# Allegro board WeChat_ZM_PART_20200601.brd (continued)
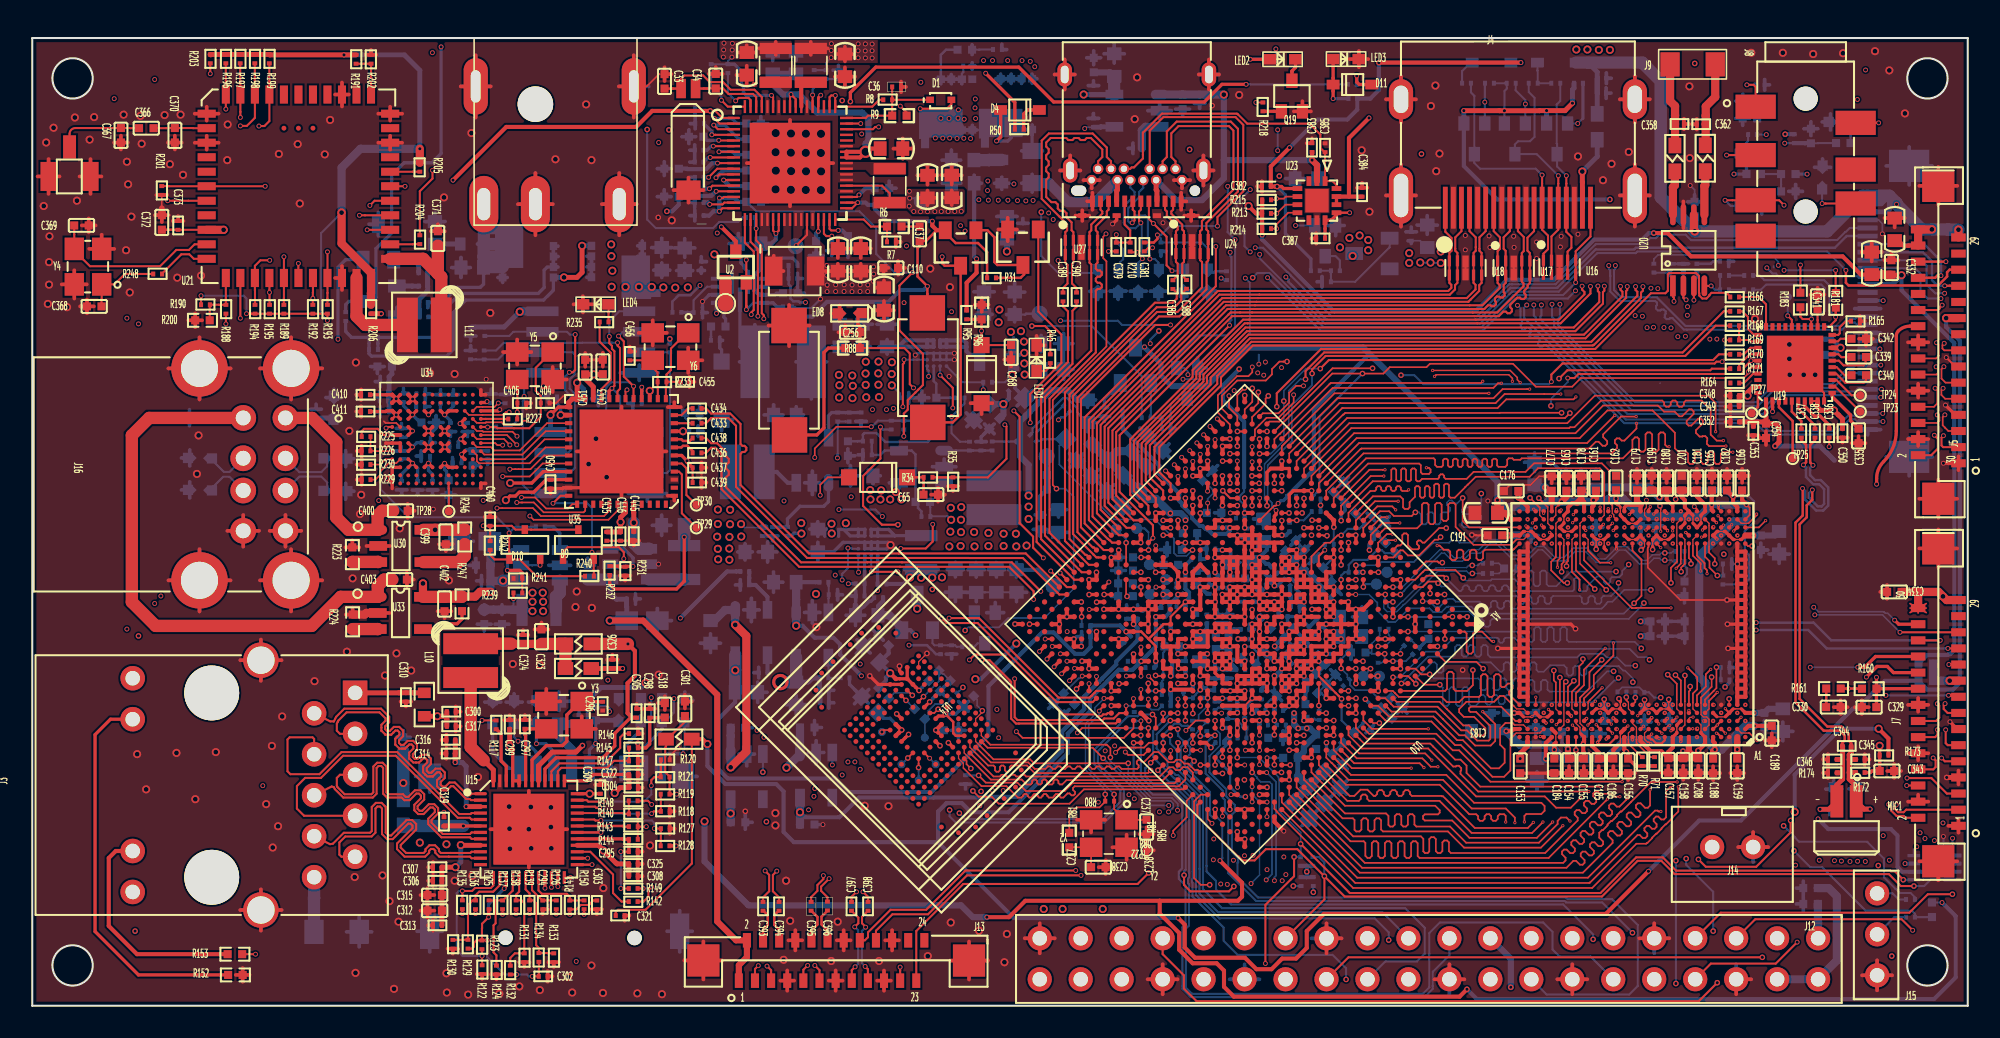
[diagram p0: board, top side]
## Nets (continued)
GL_SSTXP0: C438.1 U35.8(TXP)
GL_X1: C455.1 R233.2 U35.13(X1) Y6.1(XIN)
GL_X2: C456.1 R233.1 U35.14(X2) Y6.3(XOUT)
GPIO0_B5/LED1_OUT: R218.1 U10.U30(GPIO0_B3_D)
GPIO1_A0: J13.23 U10.R25(GPIO1_A0/ISP0_SHUTTER_EN/ISP1_S)
GPIO1_A1: R182.1 U10.T31(GPIO1_A1/ISP0_SHUTTER_TRIG/ISP1)
GPIO1_A3: J12.13 U10.R27(GPIO1_A3/ISP0_FLASHTRIGOUT/ISP1)
GPIO1_A7/SPI1_RXD/UART4_RX: J12.21 U10.P27(GPIO1_A7/SPI1_RXD/UART4_RX_U)
GPIO1_B0/SPI1_TXD/UART4_TX: J12.19 U10.R31(GPIO1_B0/SPI1_TXD/UART4_TX_U)
GPIO1_B1/SPI1_CLK: J12.23 U10.P28(GPIO1_B1/SPI1_CLK/PMCU_JTAG_TCK)
GPIO1_B2/SPI1_CSN0: J12.24 U10.P29(GPIO1_B2/SPI1_CSN0/PMCU_JTAG_TM)
GPIO1_C2: J12.12 U10.N31(GPIO1_C2/SPI3_CSN0_U)
GPIO1_C6: J12.16 U10.L25(GPIO1_C6/TCPD_VBUS_SOURCE0_D)
GPIO1_C7: J12.18 U10.M31(GPIO1_C7/TCPD_VBUS_SOURCE1_D)
GPIO1_D0: J12.22 U10.L26(GPIO1_D0/TCPD_VBUS_SOURCE2_D)
GPIO2_B3/CIF_CLKO: R160.1 R161.1 U10.H31(GPIO2_B3/SPI2_CLK/VOP_DEN/CIF_C)
GPIO2_D4: J12.15 U10.AF8(GPIO2_D4/SDIO0_BKPWR_D)
GPIO4_C0/I2C3_SDA: J12.10 U10.AG6(GPIO4_C0/I2C3_SDA/UART2B_RX_U)
GPIO4_C1/I2C3_SCL: J12.8 U10.AL2(GPIO4_C1/I2C3_SCL/UART2B_TX_U)
GPIO4_C5/SPDIF_TX: J12.26 U10.AK1(GPIO4_C5/SPDIF_TX_D)
GPIO4_C6/PWM1: J12.7 U10.AL3(GPIO4_C6/PWM1_D)
GPU_EN_H: C88.1 Q9.1(GATE) R52.2 R53.1
GPU_SLEEP: U8.A1(VSEL) U10.M25(GPIO1_B6/PWM3B_IR_D)
HDMI_CEC: Q16.2(SOURCE) R156.2 U10.AD7(GPIO4_C7/HDMI_CECINOUT/EDP_HOTP)
HDMI_TX0N: J4.9 U10.AL17(HDMI_TX0N) U17.2(IN2) U17.9(OUT2)
HDMI_TX0P: J4.7 U10.AK17(HDMI_TX0P) U17.1(IN1) U17.10(OUT1)
HDMI_TX1N: J4.6 U10.AL18(HDMI_TX1N) U18.5(IN4) U18.6(OUT4)
HDMI_TX1P: J4.4 U10.AK18(HDMI_TX1P) U18.4(IN3) U18.7(OUT3)
HDMI_TX2N: J4.3 U10.AL19(HDMI_TX2N) U18.2(IN2) U18.9(OUT2)
HDMI_TX2P: J4.1($PIN0) U10.AK19(HDMI_TX2P) U18.1(IN1) U18.10(OUT1)
HDMI_TXCN: J4.12 U10.AL16(HDMI_TCN) U17.5(IN4) U17.6(OUT4)
HDMI_TXCP: J4.10 U10.AK16(HDMI_TCP) U17.4(IN3) U17.7(OUT3)
HOST0_DM: J13.18 U10.AB31(HOST0_DM)
HOST0_DP: J13.16 U10.AB30(HOST0_DP)
HOST1_DM: ED20.1 J16.A2(D-_A) U10.AA31(HOST1_DM)
HOST1_DP: ED19.1 J16.A3(D+_A) U10.AA30(HOST1_DP)
HP_DET_H: C359.1 R179.2 R180.1 U10.AH5(GPIO4_D4_D)
HP_HOOK: C356.2 R176.2 R178.1 U10.AG25(ADC_IN2)
HPOL: R183.1 R187.1 U19.23(HPO_L)
HPOR: R181.1 R185.1 U19.21(HPO_R)
I2C2_SCL: J5.23(TP_SCL) J6.23(TP_SCL) J12.28 R104.1 U10.H25(GPIO2_A1/VOP_D1/CIF_D1/I2C2_SCL) U29.5(A1)
I2C2_SCL_3V0: J12.5 U29.8(B1)
I2C2_SDA: J5.24(TP_SDA) J6.24(TP_SDA) J12.27 R103.1 U10.G31(GPIO2_A0/VOP_D0/CIF_D0/I2C2_SDA) U29.4(A2)
I2C2_SDA_3V0: J12.3 U29.1(B2)
I2C7_SCL_HDMI: Q15.2(SOURCE) R106.1 R154.2 U10.H28(GPIO2_B0/VOP_CLK/CIF_VSYNC/I2C7)
I2C7_SDA_HDMI: Q17.2(SOURCE) R105.1 R158.2 U10.G30(GPIO2_A7/VOP_D7/CIF_D7/I2C7_SDA)
I2C_SCL: R213.2 U10.P30(GPIO1_B4/I2C4_SCL_U) U23.6(SCL)
I2C_SCL_CAM: J7.23(TP_SCL) R102.1 U10.Y6(GPIO4_A2/I2C1_SCL_U) U19.35(SCL)
I2C_SCL_PMIC: R98.1 U1.19(SCL) U3.A3(SCL) U8.A3(SCL) U10.N30(GPIO1_C0/SPI3_TXD/I2C0_SCL_U)
I2C_SDA: R214.2 U10.P31(GPIO1_B3/I2C4_SDA_U) U23.7(SDA)
I2C_SDA_CAM: J7.24(TP_SDA) R101.1 U10.AG1(GPIO4_A1/I2C1_SDA_U) U19.36(SDA)
I2C_SDA_PMIC: R97.1 U1.18(SDA) U3.B1(SDA) U8.B1(SDA) U10.M26(GPIO1_B7/SPI3_RXD/I2C0_SDA_U)
I2S0_LRCK_RX: J12.29 U10.AF4(GPIO3_D1/I2S0_LRCK_RX_D)
I2S0_LRCK_TX: J12.31 U10.AJ2(GPIO3_D2/I2S0_LRCK_TX_D)
I2S0_SCLK: J12.33 U10.AG3(GPIO3_D0/I2S0_SCLK_D)
I2S0_SDI0: J12.35 U10.Y7(GPIO3_D3/I2S0_SDI0_D)
I2S0_SDI1SDO3: J12.37 U10.AE5(GPIO3_D4/I2S0_SDI1SDO3_D)
I2S0_SDI2SDO2: J12.38 U10.AA6(GPIO3_D5/I2S0_SDI2SDO2_D)
I2S0_SDI3SDO1: J12.40 U10.AH2(GPIO3_D6/I2S0_SDI3SDO1_D)
I2S0_SDO0: J12.36 U10.AH1(GPIO3_D7/I2S0_SDO0_D)
I2S1_LRCK_TX: R169.1 U10.AJ1(GPIO4_A5/I2S1_LRCK_TX_D)
I2S_ADCDAT: R166.2 U19.30(ADCDAT1)
I2S_BCLK: R170.2 U19.33(BCLK1)
I2S_CLK: J12.32 R171.1 U10.AC7(GPIO4_A0/I2S_CLK_D)
I2S_DACDAT: R167.2 U19.31(DACDAT1)
I2S_LRCK: R168.2 R169.2 U19.32(LRCK1)
I2S_MCLK: R171.2 U19.34(MCLK)
INTB: R141.2 R150.1 U15.20(INTB)
LCD_BL_PWM1: J6.17(LCD_PWM_IN) J7.17(LCD_PWM_IN) U10.AF5(GPIO4_C2/PWM0/VOP0_PWM/VOP1_PWM)
LCD_EN_H1: J7.22(LED_EN) U10.AG4(GPIO4_D6_D)
LCD_RST_H1: J6.20(LCD_RST) U10.M24(GPIO1_B5_D)
LED0_AD0: R118.2 R119.1 R153.1 U15.34(LED0/PHYAD0)
LED1_AD1: J3.11(G+) R120.2 R121.1 U15.35(LED1/PHYAD1)
LED2_EN: J6.22(LED_EN) U10.V26(GPIO0_B4/TCPD_VBUS_BDIS_D)
LED2_RXDLY: R127.2 R128.1 U15.32(LED2_RXDLY)
LOG_DVS_PWM: R23.1 R25.1 R26.1 U10.M28(GPIO1_C3/PWM2_D)
MAC_COL: R148.2 U10.D27(GPIO3_C0/MAC_COL/UART3_CTSN/SPD)
MAC_CRS: R149.2 U10.B27(GPIO3_B7/MAC_CRS/CIF_CLKOUTB/UA)
MAC_MCLK: R117.2 U10.G24(GPIO3_B3/MAC_CLK/I2C5_SCL_U)
MAC_MDC: U10.E29(GPIO3_B0/MAC_MDC/SPI0_CSN1_U) U15.30(MDC)
MAC_MDIO: R143.2 U10.G26(GPIO3_B5/MAC_MDIO/UART1_TX_U) U15.31(MDIO)
MAC_RXCLK: R126.2 U10.F25(GPIO3_B6/MAC_RXCLK/UART3_RX_U)
MAC_RXD0: R136.2 U10.E26(GPIO3_A6/MAC_RXD0/SPI0_CLK_U)
MAC_RXD1: R137.2 U10.F27(GPIO3_A7/MAC_RXD1/SPI0_CSN0_U)
MAC_RXD2: R138.2 U10.E30(GPIO3_A2/MAC_RXD2/SPI4_CLK_U)
MAC_RXD3: R139.2 U10.E25(GPIO3_A3/MAC_RXD3/SPI4_CSN0_U)
MAC_RXDV: R135.2 U10.C27(GPIO3_B1/MAC_RXDV_D)
MAC_RXER: R150.2 U10.F23(GPIO3_B2/MAC_RXER/I2C5_SDA_U)
MAC_TXCLK: U10.E28(GPIO3_C1/MAC_TXCLK/UART3_RTSN_U) U15.22(TXC)
MAC_TXD0: U10.D26(GPIO3_A4/MAC_TXD0/SPI0_RXD_D) U15.23(TXD0)
MAC_TXD1: U10.G23(GPIO3_A5/MAC_TXD1/SPI0_TXD_D) U15.24(TXD1)
MAC_TXD2: U10.F24(GPIO3_A0/MAC_TXD2/SPI4_RXD_D) U15.25(TXD2)
MAC_TXD3: U10.H23(GPIO3_A1/MAC_TXD3/SPI4_TXD_D) U15.26(TXD3)
MAC_TXEN: R142.2 U10.H22(GPIO3_B4/MAC_TXEN/UART1_RX_U)
MDI0+: J3.2(MDI0+) U15.1(MDI[0]+)
MDI0-: J3.3(MDI0-) U15.2(MDI[0]-)
MDI1+: J3.4(MDI1+) U15.4(MDI[1]+)
MDI1-: J3.7(MDI1-) U15.5(MDI[1]-)
MDI2+: J3.5(MDI2+) U15.7(MDI[2]+)
MDI2-: J3.6(MDI2-) U15.8(MDI[2]-)
MDI3+: J3.8(MDI3+) U15.10(MDI[3]+)
MDI3-: J3.9(MDI3-) U15.11(MDI[3]-)
MIC_IN1P: C336.1 ED12.1 J8.2 R177.2 R178.2
MIC_IN2N: C338.1 C344.2 C346.1 ED10.1 MIC1.2 R174.1
MIC_IN2P: C337.1 C344.1 C345.1 ED9.1 MIC1.1 R172.1
MICBIAS1: R173.2 R175.1 U19.2(MICBIAS1)
MIPI_MCLK0: C329.1 J5.18(GND_6) J7.18(GND_6) R160.2
MIPI_MCLK1: C330.1 R161.2
MIPI_RX0_CLKN: J5.8(LVDS_CLKN) U10.AL13(MIPI_RX0_CLKN)
MIPI_RX0_CLKP: J5.9(LVDS_CLKP) U10.AK13(MIPI_RX0_CLKP)
MIPI_RX0_D0N: J5.14(LVDS_D3N) U10.AL15(MIPI_RX0_D0N)
MIPI_RX0_D0P: J5.15(LVDS_D3P) U10.AK15(MIPI_RX0_D0P)
MIPI_RX0_D1N: J5.11(LVDS_D2N) U10.AL14(MIPI_RX0_D1N)
MIPI_RX0_D1P: J5.12(LVDS_D2P) U10.AK14(MIPI_RX0_D1P)
MIPI_RX0_D2N: J5.5(LVDS_D1N) U10.AL12(MIPI_RX0_D2N)
MIPI_RX0_D2P: J5.6(LVDS_D1P) U10.AK12(MIPI_RX0_D2P)
MIPI_RX0_D3N: J5.2(LVDS_D0N) U10.AL11(MIPI_RX0_D3N)
MIPI_RX0_D3P: J5.3(LVDS_D0P) U10.AK11(MIPI_RX0_D3P)
MIPI_TX0_CLKN: J6.8(LVDS_CLKN) U10.AH12(MIPI_TX0_CLKN)
MIPI_TX0_CLKP: J6.9(LVDS_CLKP) U10.AG12(MIPI_TX0_CLKP)
MIPI_TX0_D0N: J6.14(LVDS_D3N) U10.AH15(MIPI_TX0_D0N)
MIPI_TX0_D0P: J6.15(LVDS_D3P) U10.AG15(MIPI_TX0_D0P)
MIPI_TX0_D1N: J6.11(LVDS_D2N) U10.AH14(MIPI_TX0_D1N)
MIPI_TX0_D1P: J6.12(LVDS_D2P) U10.AG14(MIPI_TX0_D1P)
MIPI_TX0_D2N: J6.5(LVDS_D1N) U10.AH11(MIPI_TX0_D2N)
MIPI_TX0_D2P: J6.6(LVDS_D1P) U10.AG11(MIPI_TX0_D2P)
MIPI_TX0_D3N: J6.2(LVDS_D0N) U10.AH9(MIPI_TX0_D3N)
MIPI_TX0_D3P: J6.3(LVDS_D0P) U10.AG9(MIPI_TX0_D3P)
MIPI_TX1/RX1_CLKN: J7.8(LVDS_CLKN) U10.AL8(MIPI_TX1/RX1_CLKN)
MIPI_TX1/RX1_CLKP: J7.9(LVDS_CLKP) U10.AK8(MIPI_TX1/RX1_CLKP)
MIPI_TX1/RX1_D0N: J7.14(LVDS_D3N) U10.AL6(MIPI_TX1/RX1_D0N)
MIPI_TX1/RX1_D0P: J7.15(LVDS_D3P) U10.AK6(MIPI_TX1/RX1_D0P)
MIPI_TX1/RX1_D1N: J7.11(LVDS_D2N) U10.AL7(MIPI_TX1/RX1_D1N)
MIPI_TX1/RX1_D1P: J7.12(LVDS_D2P) U10.AK7(MIPI_TX1/RX1_D1P)
MIPI_TX1/RX1_D2N: J7.5(LVDS_D1N) U10.AL9(MIPI_TX1/RX1_D2N)
MIPI_TX1/RX1_D2P: J7.6(LVDS_D1P) U10.AK9(MIPI_TX1/RX1_D2P)
MIPI_TX1/RX1_D3N: J7.2(LVDS_D0N) U10.AL10(MIPI_TX1/RX1_D3N)
MIPI_TX1/RX1_D3P: J7.3(LVDS_D0P) U10.AK10(MIPI_TX1/RX1_D3P)
OTP_OUT_H: D2.1(A) U10.P26(GPIO1_A6/TSADC_INT_Z)
PCIE_REF_CLKN: C398.2 U10.AD30(PCIE_RCLK_100M_N)
PCIE_REF_CLKP: C397.2 U10.AD31(PCIE_RCLK_100M_P)
PCIE_RX0_N: J13.11 U10.AF31(PCIE_RX0_N)
PCIE_RX0_P: J13.9 U10.AF30(PCIE_RX0_P)
PCIE_RX1_N: J13.5 U10.AH31(PCIE_RX1_N)
PCIE_RX1_P: J13.3 U10.AH30(PCIE_RX1_P)
PCIE_TX0N: C396.1 U10.AE31(PCIE_TX0_N)
PCIE_TX0P: C395.1 U10.AE30(PCIE_TX0_P)
PCIE_TX1N: C394.1 U10.AG31(PCIE_TX1_N)
PCIE_TX1P: C393.1 U10.AG30(PCIE_TX1_P)
PGOOD_VDD09: D10.2 U39.5(PG)
PGOOD_VDD12: D9.1 U36.5(PG)
PGOOD_VDD18: R238.1 U39.1(EN)
PHONE_DET: ED14.1 J8.5 R180.2
PHY_XTAL1: C296.1 U15.42(CKXTAL1) Y3.1(XIN)
PHY_XTAL2: C297.1 U15.43(CKXTAL2) Y3.3(XOUT)
PHYRSTB: C295.1 R144.2 R149.1 U15.29(PHYRSTB)
PMEB: R140.2 R148.1 U15.33(PMEB)
PMIC_EXT_EN: R41.1 U1.55(EXT_EN)
PMIC_INT_L: U1.49(INT) U10.M30(GPIO1_C5/I2C8_SCL_U)
PMIC_SLEEP_H: Q12.1(GATE) Q13.1(GATE) Q14.1(GATE) U1.50(SLEEP) U10.R30(GPIO1_A5/AP_PWROFF_D)
PORT_CEC: J4.13 Q16.3(DRAIN) R157.2 U16.1(IN1) U16.10(OUT1)
PORT_HPD: J4.19 R109.2 U16.5(IN4) U16.6(OUT4)
PWR_KEY: J13.21 R9.1
PWR_KEY_L: D1.1(A) U10.V27(GPIO0_A5/EMMC_PWRON_U)
REGOUT: L10.1 U15.48(REGOUT)
RESET_L: C236.2 R3.2 U1.20(NRESPWRON) U10.T30(NPOR_U)
RGMII_GR-: J3.12(G-) R152.2
RGMII_YE-: J3.13(Y-) R153.2
RSET: R146.1 U15.39(RSET)
RTC_CLKO_SOC: R4.1 U1.68(ALWAYS ON CLK32KOUT1) U10.U31(GPIO0_A0/TEST_CLKOUT0/CLK32K_IN)
RTC_CLKO_WIFI: R5.1 R203.1 R204.2 U1.67(CLK32KOUT2)
RX_CLK: C294.1 R126.1 U15.19(RXC)
RXCTL_AD2: R122.2 R123.1 R135.1 U15.13(RXCTL/PHYAD2)
RXD0: R129.1 R130.2 R136.1 U15.14(RXD0/SELRGV)
RXD1_TXDLY: R124.2 R125.1 R137.1 U15.16(RXD1/TXDLY)
RXD2_AN0: R131.2 R132.1 R138.1 U15.17(RXD2/AN0)
RXD3_AN1: R133.2 R134.1 R139.1 U15.18(RXD3/AN1)
SDMMC0_CLK: R86.1 U10.V29(GPIO4_B4/SDMMC0_CLKOUT/MUCJTAG_)
SDMMC0_CMD: ED5.1 J2.3(CMD) U10.V25(GPIO4_B5/SDMMC0_CMD/MCUJTAG_TMS)
SDMMC0_D0: ED3.1 J2.7(DATA0) U10.Y27(GPIO4_B0/SDMMC0_D0/UART2A_RX_U)
SDMMC0_D1: ED2.1 J2.8(DATA1) U10.Y26(GPIO4_B1/SDMMC0_D1/UART2A_TX_U)
SDMMC0_D2: ED7.1 J2.1(DATA2) U10.Y28(GPIO4_B2/SDMMC0_D2/APJTAG_TCK_U)
SDMMC0_D3: ED6.1 J2.2(CD/DATA3) U10.U27(GPIO4_B3/SDMMC0_D3/APJTAG_TMS_U)
SDMMC0_DET_L: ED1.1 J2.9(CD) U10.V28(GPIO0_A7/SDMMC0_DET_U)
SDMMC0_PWR_H: U10.R29(GPIO0_A1/DDRIO_PWROFF/TCPD_CCDB) U13.3(EN)
SDMMC0_VDDPST: C249.1 U10.U26(SDMMC0_VDDPST)
SPK_CTL_H: R164.2
SV_CLK_MODE0: R225.2 R226.2 U34.E12(CLK_MODE0)
SV_CLK_MODE1: R229.2 U34.D11(CLK_MODE1)
SV_CLK_MODE2: R230.2 U34.D12(CLK_MODE2)
SV_EXT_RESET_N: D9.2 R240.1 U35.36(SD2_CDZ)
SV_RSTN: C460.1 D9.3 D10.3 R242.1 U34.H12(RSTN)
TOUCH_INT_L1: J6.25(TP_INT) U10.AE6(GPIO4_D0/PCIE_CLKREQNB_U)
TOUCH_RST_L1: J6.26(TP_RST) U10.AK4(GPIO4_D1/DP_HOTPLUG_D)
TP: J5.27(GND_7)
TXCTL: R142.1 U15.27(TXCTL)
TYPEC0_DM: ED21.1 J11.A7(DM1) J11.B7(DM2) U10.AH23(TYPEC0_DM)
TYPEC0_DP: ED22.1 J11.A6(DP1) J11.B6(DP2) U10.AG23(TYPEC0_DP)
TYPEC0_RX1N: J11.B10(SSRX1_N) U10.AL21(TYPEC0_RX1M) U24.5(IN4) U24.6(OUT4)
TYPEC0_RX1P: J11.B11(SSRX1_P) U10.AK21(TYPEC0_RX1P) U24.4(IN3) U24.7(OUT3)
TYPEC0_RX2N: J11.A10(SSRX2_N) U10.AL23(TYPEC0_RX2M) U27.5(IN4) U27.6(OUT4)
TYPEC0_RX2P: J11.A11(SSRX2_P) U10.AK23(TYPEC0_RX2P) U27.4(IN3) U27.7(OUT3)
TYPEC0_SBU1: C379.1 U10.AK20(TYPEC0_AUXP)
TYPEC0_SBU1_DC: R210.1 U10.AH17(TYPEC0_AUXP_PD_PU)
TYPEC0_SBU2: C381.1 U10.AL20(TYPEC0_AUXM)
TYPEC0_SBU2_DC: R207.1 U10.AG17(TYPEC0_AUXM_PU_PD)
TYPEC0_TX1N: C386.1 U10.AK22(TYPEC0_TX1M)
TYPEC0_TX1P: C388.1 U10.AL22(TYPEC0_TX1P)
TYPEC0_TX2N: C389.1 U10.AK24(TYPEC0_TX2M)
TYPEC0_TX2P: C390.1 U10.AL24(TYPEC0_TX2P)
TYPEC0_U2VBUSDET: C268.1 D5.2(CATHODE) R95.2 R96.2 U10.AK30(TYPEC0_U2VBUSDET)
TYPEC1_U3VBUSDET: TP16.1 U10.AC19(TYPEC1_U3VBUSDET)
TYPEC_AUXM: C381.2 ED23.1 J11.B8(SBU2) R207.2 R209.1
TYPEC_AUXP: C379.2 ED24.1 J11.A8(SBU1) R208.1 R210.2
TYPEC_CC1: C387.1 ED26.1 J11.A5(CC1) U23.10(CC1_10) U23.11(CC1_11)
TYPEC_CC2: C385.1 ED25.1 J11.B5(CC2) U23.1(CC2_1) U23.14(CC2_14)
TYPECTX1N: C386.2 J11.A3(SSTX1_N) U24.1(IN1) U24.10(OUT1)
TYPECTX1P: C388.2 J11.A2(SSTX1_P) U24.2(IN2) U24.9(OUT2)
TYPECTX2N: C389.2 J11.B3(SSTX2_N) U27.1(IN1) U27.10(OUT1)
TYPECTX2P: C390.2 J11.B2(SSTX2_P) U27.2(IN2) U27.9(OUT2)
UART2DBG_RX: R221.1 R222.2 U10.AK2(GPIO4_C3/UART2C_RX_U)
UART2DBG_TX: R220.1 U10.AJ4(GPIO4_C4/UART2C_TX_U)
USB3-VBUS: C403.1 ED15.1 J16.B1(VBUS_B) U33.1(VOUT)
USB3_DM: ED17.1 J16.B2(D-_B) U10.AH24(TYPEC1_DM)
USB3_DP: ED18.1 J16.B3(D+_B) U10.AG24(TYPEC1_DP)
USB-VBUS: C400.1 C401.1 ED16.1 J16.A1(VBUS_A) U30.1(VOUT)
VPP_OTP: C35.2 Q1.3(DRAIN) SW1.2 U1.6(RESETKEY/VPPOTP)
WIFI-EN: R188.2 R190.1 R200.2 U21.12(WL_REG_ON)
WL-REG-ON: R188.1 U10.W31(GPIO0_B2_D)
WL-SDIO-CLK: U10.AF7(GPIO2_D1/SDIO0_CLKOUT/TEST_CLKO) U21.17(SDIO_DATA_CLK)
WL-SDIO-CMD: R189.2 U10.AH6(GPIO2_D0/SDIO0_CMD_U) U21.16(SDIO_DATA_CMD)
WL-SDIO-D0: R192.2 U10.AD8(GPIO2_C4/SDIO0_D0/SPI5_RXD_U) U21.18(SDIO_DATA_0)
WL-SDIO-D1: R193.2 U10.AK5(GPIO2_C5/SDIO0_D1/SPI5_TXD_U) U21.19(SDIO_DATA_1)
WL-SDIO-D2: R194.2 U10.AG7(GPIO2_C6/SDIO0_D2/SPI5_CLK_U) U21.14(SDIO_DATA_2)
WL-SDIO-D3: R195.2 U10.AE8(GPIO2_C7/SDIO0_D3/SPI5_CSN0_U) U21.15(SDIO_DATA_3)
WL-WAKE-HOST: U10.V31(GPIO0_A3/SDIO0_WRPT_D) U21.13(WL_HOST_WAKE)
XTAL-IN: R248.1 U21.11(XTAL_OUT)
XTAL_OUT: C369.1 U21.10(XTAL_IN) Y4.3(XOUT)
N01909: C289.2 U14.K2(VDDI)
N02023: R115.2 U14.W6(CLK)
N02115: TP17.1 U14.M9(VSF1)
N02119: TP18.1 U14.M10(VSF2)
N02213: TP19.1 U14.N10(VSF3)
N02217: TP20.1 U14.U10(VSF4)
N02899: C288.2 R116.2 U14.U5(RST_N)
N14736087: C310.2 J3.1(TCT) R151.2
N14736095: C311.2 J3.10(EARTH)
N15905404: D7.2(K) R155.1 R159.1
N15905522: D8.2(K) R157.1
N16368772: J7.19(VCC_IO) R162.2 R163.2
N16458616: C358.1 FB6.2 J9.1(-)
N16458620: FB6.1 U20.8(VO2)
N16458648: C362.2 FB7.2 J9.2(+)
N16458660: J8.1 R186.1
N16458704: C355.1 R175.2 R177.1
N16458758: ED11.1 J8.7 R183.2
N16458762: ED13.1 J8.3 R181.2
N16458936: C365.1 R187.2
N16458992: C363.2 C365.2 U20.4(IN-)
N16459088: TP26.1 U19.26(ADCDAT2)
N16459174: FB7.1 U20.5(VO1)
N16459182: C363.1 R185.2
N16459206: C360.2 U20.2(BYPASS)
N16459210: C361.2 U20.3(IN+)
N16459230: C361.1 R184.2
N16459444: C343.1 R172.2 R173.1
N16459798: C337.2 U19.5(IN2P)
N16459876: C338.2 U19.6(IN2N/JD2)
N16460272: C341.1 U19.22(CPVEE)
N16460322: C342.1 U19.19(CPVPP)
N16460392: C340.1 U19.14(CPN2)
N16460396: C340.2 U19.15(CPP2)
N16460426: C339.1 U19.16(CPN1)
N16460430: C339.2 U19.17(CPP1)
N16460664: C335.2 U19.11(VREF)
N16460672: R165.1 U19.20(CPVREF)
N16460744: TP27.1 U19.40(DCVDD)
N16461180: TP25.1 U19.3(JD1)
N16461246: TP23.1 U19.12(LOUTL/P)
N16461264: TP24.1 U19.13(LOUTR/N)
N16461590: C336.2 U19.7(IN3P)
N16461956: C357.2 R182.2 U20.1(EN)
N16466981: C366.2 C367.1 J10.1(ANT)
N16466985: C366.1 C370.1 U21.2(WL/BT_ANT0)
N16467899: C371.1 L11.1 U21.23(VIN_LDO)
N16470079: C368.1 R248.2 Y4.1(XIN)
N16472191: L11.2 U21.21(VIN_LDO_OUT)
N16473650: R204.1 U21.24(LPO)
N16474253: R205.2 U21.29(VDD_TCXO)
N16788693: R211.1 U22.3(OCB)
N16795291: LED2.1(ANODE) R216.2
N16795446: LED2.2(CATHODE) Q19.3(DRAIN)
N16796075: J15.3 R220.2
N16796099: J15.2 R221.2
N16796955: C393.2 J13.4
N16797043: C394.2 J13.6
N16797093: C395.2 J13.10
N16797144: C396.2 J13.12
N16798049: C397.1 J13.15
N16798072: C398.1 J13.17
N16803257: C404.1 R245.2 U34.H1(XIN) Y5.1(XIN)
N16803298: C405.1 R227.2 R245.1 Y5.3(XOUT)
N16803515: R227.1 U34.J1(XOUT)
N16804069: TP28.1 U34.A5(PLL_CLK_OUT)
N16820643: TP29.1 U35.4(DM)
N16820646: TP30.1 U35.5(DP)
N16821572: R243.1 U35.19(SPI_CK)
N16821640: R234.1 U35.16(RTERM)
N16822483: LED4.1(ANODE) R235.2
N16822485: R235.1 U35.21(LED)
N16829921: R231.2 R232.1 U36.6(FB)
N16829957: L12.1 U36.3(SW)
N16831823: R239.1 R241.2 U39.6(FB)
N16831845: L13.1 U39.3(SW)
N16853539: R228.1 U34.K2(GPIO_14_CORECLK)
N16923143: R224.1 U33.3(OCB)
N16923268: R223.1 U30.3(OCB)
N16990850: R164.1 U19.37(GPIO1/IRQ1)
N17045844: D11.2(K) LED3.1(ANODE) R219.2
N17285759: ED4.1 J2.5(CLK) R86.2
N17314664: TP7.1 U10.D11(DDR1_ODT0)
N17349834: R88.2 SW2.1
N58752136: R77.1 U10.G15(DDR1_PZQ)
N58760399: R78.1 U10.R7(DDR0_PZQ)
N58763968: R80.2 R81.2 U10.Y30(XOUT_OSC)
N58763972: C238.2 R81.1 Y2.3(XOUT)
N58764110: C237.1 R80.1 U10.Y31(XIN_OSC) Y2.1(XIN)
N58792500: R107.1 U10.AF14(MIPI_RX0_REXT)
N58802358: D6.2(CATHODE) R109.1 R110.1 U10.AE15(HDMI_HPD)
N58808382: R113.1 U10.AF12(MIPI_TX0_REXT)
N58808787: R108.1 U10.AF11(MIPI_TX1/RX1_REXT)
N58857964: R84.1 U10.L29(EMMC_CALIO)
N58861592: R89.1 U10.AC31(USB0_RBIAS)
N58862879: TP14.1 U10.AH20(TYPEC0_CC2)
N58862881: TP13.1 U10.AH18(TYPEC0_CC1)
N58863591: R111.1 U10.AF15(HDMI_REXT)
N59167825: R91.1 U10.AG18(TYPEC0_REXT)
N59167849: R93.1 U10.AG20(TYPEC0_REXT_CC)
N59482131: R112.1 U10.G21(EDP_REXT)
N60285914: TP11.1 U10.AE18(TYPEC0_RCLKP)
N60285917: TP12.1 U10.AD18(TYPEC0_RCLKM)
N60286128: TP15.1 U10.AD19(TYPEC0_U3VBUSDET)
N63043642: R90.1 U10.AC30(USB1_RBIAS)
N63807265: R92.1 U10.AE21(TYPEC1_REXT)
N63807271: R94.1 U10.AG21(TYPEC1_REXT_CC)
N64127812: TP9.1 U10.E11(DDR1_ODT1)
N64130222: R83.1 U10.L28(EMMC_CLK)
N64166694: R68.1 U11.E15(ZQ0_A)
N64167374: R70.1 U11.B15(ZQ1_C)
N64167376: R71.1 U11.C15(ZQ0_C)
N64168065: R69.1 U11.D15(ZQ1_A)
N64188336: TP8.1 U10.L4(DDR0_ODT0)
N64188339: TP10.1 U10.L5(DDR0_ODT1)
N64220909: R6.1 R7.2 U1.34(VDC)
N64220935: L1.2 U1.25(SW6) U1.26(SW2)
N64221025: L3.1 U1.61(SW4)
N64221084: L2.2 U1.42(SW5) U1.43(SW1)
N64221525: C10.1 R1.1 R2.1 U1.56(VFB3)
N64221603: C12.1 U1.37(VREF)
N64221613: L4.1 U1.58(SW3)
N64221661: C33.1 U1.65(OSC32KIN) Y1.1
N64221736: C34.1 U1.66(OSC32KOUT) Y1.2
N64221909: C36.2 D1.2(K) R8.1 R9.2 U1.51(PWRON)
N64222479: C37.1 R6.2
N64224000: C56.1 R18.2 R21.2 U6.1(EN)
N64224228: C58.1 R23.2 R24.1 R27.1
N64224250: C57.2 R22.2 R24.2 R28.1 U6.5(FB/OUT)
N64224465: L5.1 U3.D3(SW_1) U3.D4(SW_2) U3.E3(SW_3) U3.E4(SW_4)
N64224516: C46.1 R10.2 U3.A2(EN)
N64224668: L7.1 U6.3(LX)
N64225662: L8.1 U8.D3(SW_1) U8.D4(SW_2) U8.E3(SW_3) U8.E4(SW_4)
N64225710: C66.1 R32.2 U8.A2(EN)
N64226582: C45.1 R12.2 U4.1(EN)
N64226598: C42.2 R11.2 R14.1 U4.5(FB/OUT)
N64226636: L6.1 U4.3(LX)
N64226676: R15.2 R17.1 U5.3(S\H\D\N\)
N64226716: R16.2 R20.1 U5.4(BP)
N64229510: R29.2 R30.1 U7.3(EN)
N64229564: C61.1 U7.4(BP)
N64229672: C65.1 D2.2(K) R34.1
N64229708: Q1.1(GATE) Q2.3(COLLECTOR) R31.2
N64229750: Q2.1(BASE) R34.2 R35.2
N64230402: C71.2 Q3.4(GATE) Q4.4(GATE) R39.2 R42.1
N64230404: C71.1 Q3.1(SOURCE1) Q3.2(SOURCE2) Q3.3(SOURCE3) Q4.1(SOURCE1) Q4.2(SOURCE2) Q4.3(SOURCE3) R39.1
N64230412: R38.2 R40.1 R43.1 R46.2
N64230532: Q5.1(BASE) R43.2
N64230558: Q6.1(BASE) R46.1
N64230709: C78.1 R37.2
N64231150: C84.1 Q7.1(SOURCE1) Q7.2(SOURCE2) Q7.3(SOURCE3) Q8.1(SOURCE1) Q8.2(SOURCE2) Q8.3(SOURCE3) R49.1
N64231196: D4.1(A) Q7.5(DRAIN5) Q7.6(DRAIN6) Q7.7(DRAIN7) Q7.8(DRAIN8) R47.2
N64231262: D4.2(K) R50.1
N64231276: C85.1 R48.2
N64231695: C93.1 Q10.1(GATE) R54.2 R56.1
N64231811: Q13.3(DRAIN) R56.2
N64232074: C94.1 Q11.1(GATE) R55.2 R57.1
N64232100: Q14.3(DRAIN) R57.2
N64232695: C82.1 R44.2 U9.9(VCC)
N64232844: C69.1 R36.2
N64232846: C69.2 D3.2(K) L9.1 U9.7(SW)
N64232856: R36.1 U9.8(BST)
N64232909: C79.1 R41.2 U9.11(EN)
N64232933: R44.1 U9.3(PG)
N64233102: LED1.1(ANODE) R45.2
N64233558: Q12.3(DRAIN) R53.2
N64306095: C148.2 R58.1 R59.1
N64307956: C149.2 R60.1 R61.1
N64308507: C150.2 R62.1 R63.1
N64309052: C151.2 R64.1 R65.1
N173392270: D11.1(A) R217.2
N173392401: Q19.1(GATE) R218.2
N173405121: R247.2 U33.4(EN)
N173406423: R246.2 U30.4(EN)
N173449780: TP3.1 U2.1
N1733334117: FB5.1 J4.18

Pads without a net: J1 4; J3 17 18; J4 14; J5 17 21 22; J6 18; J7 27; J8 4 6; J12 11; J13 22 24; U1 47 48 54; U9 4 12; U10 A3 A4 A6 A7 A28 A29 A30 AA19 AA20 AA22 AA24 AA27 AA28 AB20 AB22 AB24 AC12 AC14 AC27 AC28 AD11 AD12 AD14 AD15 AD20 AD24 AD25 AD27 AD28 AE20 AE24 AE26 AF21 AF25 AF27 AF28 AG26 AG28 AH21 AJ30 AJ31 AK27 AK28 AK29 AK31 AL27 AL28 AL29 AL30 B2 B4 B6 B7 B28 B29 B30 C1 C3 C4 C5 C6 C30 C31 D1 D2 D3 D6 D12 D30 D31 E3 F3 F4 F7 F9 F14 F17 F28 F29 F30 G6 G8 G11 G14 G17 G20 H6 H7 H21 H24 H27 H29 H30 J1 J2 K1 K2 L30 M4 U6 U7 V6 V7; U11 A1 A29 AF15 AG15 AH15 AJ1 AJ29; U12 4; U13 4; U14 A4 A6 A9 A11 AA1 AA2 AA7 AA8 AA9 AA10 AA11 AA12 AA13 AA14 AE1 AE14 AG2 AG13 AH4 AH6 AH9 AH11 B2 B13 D1 D14 H1 H2 H7 H8 H9 H10 H11 H12 H13 H14 J1 J7 J8 J9 J10 J11 J12 J13 J14 K1 K3 K5 K7 K8 K9 K10 K11 K12 K13 K14 L1 L2 L3 L4 L12 L13 L14 M1 M2 M3 M5 M8 M12 M13 M14 N1 N2 N3 N12 N13 N14 P1 P2 P3 P10 P12 P13 P14 R1 R2 R3 R12 R13 R14 T1 T2 T3 T12 T13 T14 U1 U2 U3 U6 U7 U12 U13 U14 V1 V2 V3 V12 V13 V14 W1 W2 W3 W7 W8 W9 W10 W11 W12 W13 W14 Y1 Y3 Y6 Y7 Y8 Y9 Y10 Y11 Y12 Y13 Y14; U15 12; U19 4 24 25 27 28 29 38; U21 4 5 8 30 32 35 37 38 39 40 45 46 47; U23 3 8; U34 A2 A3 A4 A6 A7 A8 A9 A10 A11 B1 B2 B3 B4 B5 B6 B7 B8 B9 B10 B11 C1 C2 C3 D2 L2 L3 L4 L5 L6 L7 L8 M2 M3 M4 M5 M6 M7 M8; U35 2 39 40 45 46 47 48

## Via types
v1: diameter 0.3, hole 0.2, TOP to BOTTOM, 747 vias
v2: diameter 0.348, hole 0.198, TOP to BOTTOM, 593 vias
v3: diameter 0.2, hole 0.1, TOP to POWER1, 177 vias
v4: diameter 0.3, hole 0.2, SIG1 to SIG2, 17 vias
v5: diameter 0.5, hole 0.3, TOP to BOTTOM, 328 vias
v6: diameter 0.2, hole 0.1, TOP to GND1, 45 vias
v7: diameter 0.3, hole 0.2, TOP to GND1, 1 via
v8: diameter 1.016, hole 0.635, TOP to BOTTOM, 1 via
v9: diameter 0.762, hole 0.508, TOP to BOTTOM, 17 vias
v10: diameter 0.3, hole 0.2, GND to BOTTOM, 1 via

## Routing (per net, layer and track width the routed paths; a pad name or vN(x,y) marks a point on that pad's centre or on a via; arc(x,y) is an arc through that point)
5V_SWITCH: length 59.4
  TOP w0.203: v1(59.11,57.82) 60.92,56.01 R50.2
  SIG2 w0.203: v1(25.35,59.45) 41.48,59.45 42.79,58.15 58.78,58.15 v1(59.11,57.82)
  BOTTOM w0.203: R42.2 19.43,43.48 19.63,43.67 Q5.3 21.06,43.67 21.31,43.92 21.31,46.94 22.28,47.92 22.28,51.49 23.06,52.27 24.78,52.27 25.35,52.84 v1(25.35,59.45)
AVDD1V0_RGMII: length 46.3
  TOP w0.203: U15.40 31.79,14.69 32.48,15.37 35.37,15.37 36.11,16.11 36.11,16.88 37.09,17.86 37.19,17.86
  TOP w0.254: C305.1 37.19,17.86 36.91,18.15 36.91,20 37.36,20.45 37.36,22 v1(36.93,22.43)
  TOP w0.305: v1(26.22,15.09) C314.1 26.23,15.65 C316.1 ; v5(26.57,9.96) 26.58,9.95 U15.9 ; U15.3 v1(26.9,12.35) ; C313.1 25.4,4.99 C312.1 C315.1 25.4,6.87 C306.1 C307.1 v5(26.24,8.59)
  TOP w0.762: FB1.2 v1(36.93,22.43)
  POWER1 w0.305: v1(26.9,12.35) 27.43,11.82 27.43,10.83 v5(26.57,9.96) ; v1(36.93,22.43) 34.32,19.82 28.63,19.82 26.22,17.41 v1(26.22,15.09)
  BOTTOM w0.305: v5(26.57,9.96) 26.57,8.92 v5(26.24,8.59) ; v1(26.9,12.35) 26.9,14.84 26.65,15.09 v1(26.22,15.09)
AVDD3V3_RGMII: length 41.3
  TOP w0.203: U15.6 v1(26.73,11.15) ; C318.1 38.74,17.87 38.73,17.86 C298.1 38.28,16.42 38.28,16.41 38.28,16.22 38.04,15.99 R145.1 ; 29.79,15.89 U15.45 U15.44
  TOP w0.254: U15.44 30.19,13.78 ; R145.1 v2(37.55,16.28)
  TOP w0.305: v2(34.11,16.13) 33.71,15.73 32.24,15.73 31.39,14.88 U15.41 ; C319.1 25.53,11.15 v1(26.73,11.15) ; C317.1 25.7,17.76 25.7,17.97 ; 25.7,17.97 25.68,17.95 v5(25.11,17.95) R151.1 ; 25.7,17.97 C300.1 ; 29.79,15.89 29.6,16.07 v5(29.6,16.11) C299.1
  SIG1 w0.254: v5(29.6,16.11) 29.98,15.73 33.71,15.73 v2(34.11,16.13) ; v5(29.6,16.11) 28.79,16.92 26.14,16.92 v5(25.11,17.95) ; v5(29.6,16.11) 28.56,15.07 27.28,15.07 26.11,13.9 26.11,12.04 26.73,11.43 v1(26.73,11.15)
  SIG2 w0.254: v2(34.11,16.13) 34.39,15.85 37.13,15.85 v2(37.55,16.28)
  BOTTOM w0.762: v1(26.73,11.15) 23.95,11.15 23.91,11.19 FB2.2
DVDD1V0_RGMII: length 20.3
  TOP w0.203: C309.1 35.22,13.15 v5(34.56,13.15) U15.36
  TOP w0.305: C308.1 C325.1 36.26,8.79 36.2,8.85 36.18,8.85 35.79,9.25 35.78,9.25 v5(35.41,9.62) 35.41,9.64 35.11,9.95 U15.28 ; v1(36.6,20.91) 36.3,20.91 36.29,20.91 C326.1 35.54,20.91 35.53,20.91 FB3.2
  POWER1 w0.254: v1(36.6,20.91) 36.6,19.94 34.56,17.9 v5(34.56,13.15) 34.56,10.48 v5(35.41,9.62)
DVDD3V3_RGMII: length 54.2
  TOP w0.127: v1(28.3,5.49) 27.89,5.09 27.89,4.81 27.88,4.8 R123.2 ; 31.4,1.82 v1(31,1.82) ; 31.4,1.82 31.4,2.16 31.41,2.17 R134.2 ; 31.4,1.82 C302.1 ; 28.32,5.52 R125.2 ; R123.2 27.54,4.05 27.38,3.9 27.38,3.66 27.26,3.54 R129.2 ; R123.2 v1(28.2,4.05) ; R143.1 v1(38.07,11.11) ; R143.1 R140.1 ; R143.1 R144.1 ; U15.15 29.39,7.4 v1(29.26,7.27) ; R132.2 v1(30.02,1.94) ; C303.1 34.79,6.53 34.6,6.34 34.6,6.34 34.51,6.25 34.01,6.25 33.73,5.97 R141.1 v1(33.32,5.68) ; v1(39.95,13.12) R119.2 R121.2 39.51,14.21 39.24,14.48 39.24,16.01 39.29,16.06 FB4.2 39.38,16.53 40.46,17.61 C301.1
  TOP w0.203: U15.21 31.79,7.3 31.79,7.3 v1(31.79,7.29) ; U15.37 34.4,13.95 34.8,14.34 36.64,14.34 36.64,14.34 C322.1 ; v1(39.91,9.91) 39.74,9.91 39.74,9.92 R128.2 ; R125.2 28.3,5.96 v1(28.3,5.49)
  TOP w0.305: v5(36.11,13.19) 36.44,13.53 C304.1 36.99,13.53 C322.1
  SIG1 w0.254: v1(28.3,5.49) 26.95,4.15 9.14,4.15 J3.14
  BOTTOM w0.127: v1(28.2,4.05) 28.2,3.02 29.29,1.94 v1(30.02,1.94) 30.67,1.94 30.79,1.82 v1(31,1.82)
  BOTTOM w0.203: v1(29.26,7.27) 28.3,6.3 v1(28.3,5.49)
DVDD12_GL: length 28.8
  TOP w0.203: U35.9 v5(40.35,35.62) ; v1(40.42,29.06) 40.42,26.35 40.44,26.33 39.95,25.84 36.09,25.84 35.8,26.13 R232.2
  TOP w0.305: v5(32.76,36.62) 32.78,36.62 U35.26
  SIG1 w0.254: v5(32.76,36.62) 33.38,37.24 38.72,37.24 v5(40.35,35.62)
  SIG2 w0.254: v1(40.42,29.06) 40.06,29.42 40.06,35.33 v5(40.35,35.62)
  BOTTOM w0.127: C454.1 40.47,36.46 40.73,36.2 C448.1
  BOTTOM w0.203: C447.1 32.53,37.34 32.76,37.12 v5(32.76,36.62) ; v5(40.35,35.62) 40.73,35.62 C448.1
  BOTTOM w0.508: 40.44,29.77 C453.1
  BOTTOM w0.762: C453.1 v1(40.42,29.06) 40.42,28.53 L12.2
DVDD33_GL: length 58.1
  TOP w0.127: C439.1 C437.1
  TOP w0.203: C437.1 40.6,33.7 v1(40.6,33.78) 40.26,34.12 U35.6 ; U35.25 32.62,37.12 32.18,36.67 ; v5(29.36,31.35) 29.62,31.6 29.96,31.6 30.2,31.84 31.09,31.84 31.86,32.61 C450.1 32.38,32.61 32.39,32.62 U35.34 ; U35.15 v5(38.28,38.13)
  TOP w0.305: U35.23 U35.24 ; U35.24 33.77,37.63 33.48,37.63 33.26,37.4 U35.25 ; U35.24 33.78,38.63 v5(33.78,38.63) ; v5(32.13,36.63) 32.18,36.67 32.18,36.79 ; C445.1 v5(37.3,29.95) 37.3,30.58 37.28,30.59 U35.44
  SIG1 w0.254: v5(37.3,29.95) 38,29.95 40.6,32.55 v1(40.6,33.78) 41.2,34.39 41.2,36.78 39.86,38.13 v5(38.28,38.13) ; v5(38.28,38.13) 38.28,38.5 37.89,38.89 35.86,38.89 35.6,38.63 v5(33.78,38.63) 32.42,38.63 30.23,40.82 v5(30.23,43.03) ; v5(38.28,38.13) 39.53,39.37 v2(39.53,41.35)
  SIG2 w0.254: v5(29.36,31.35) 28.78,31.93 28.78,33.53 29.31,34.07 30.45,34.07 32.13,35.74 v5(32.13,36.63)
  BOTTOM w0.254: R236.2 v2(39.53,41.35)
  BOTTOM w0.305: C449.2 34.2,38.22 v5(33.78,38.63) ; 30.25,43.06 30.23,43.06 29.25,42.08 R237.2 27.49,42.08 27.48,42.08 C461.1 ; U37.8 32.13,35.57 v5(32.13,36.63)
  BOTTOM w0.508: v5(30.23,43.03) 30.25,43.06 U38.8
  BOTTOM w0.762: v5(37.3,29.95) 37.3,28.68 37.64,28.33 U36.1
GND: length 2126.8
  TOP w0.076: v2(55.47,21.85) 54.95,21.33 U14.Y2
  TOP w0.102: U11.AE13 100.21,28.45 100.16,28.4 100.16,27.17 102.18,25.16 v2(105.07,25.16) ; v2(58.19,14.71) 57.92,14.98 57.92,15.18 U14.H6 ; v2(55.64,18.84) 55.49,18.68 ; 38.9,57.76 38.86,57.76 38.1,57 J1.5 ; 75.17,18.6 75.48,18.9 75.48,18.91 v2(75.63,19.07) ; C404.2 32.49,37.37 32.92,37.8 ; v1(40.03,15.98) 39.52,15.47 R120.1 ; C176.2 91.62,32.29 92.89,32.29 93.43,32.83 93.78,32.83 93.78,32.7 ; 21.8,36.24 21.91,36.13 22.57,36.13 U34.H11 ; R201.1 8.03,49.32 8.03,49.32
  TOP w0.127: U11.A12 100.77,16.66 v6(100.86,16.57) ; U34.B12 22.16,32.89 v1(21.97,32.7) 22.15,32.51 22.19,32.51 U34.A12 ; v1(118.67,40.19) 119.22,39.63 J5.13 ; U11.D8 v6(102.71,18.31) ; v2(89.26,29.19) 89.49,29.19 89.52,29.16 C191.2 ; U11.C2 105.94,17.89 v6(105.94,17.89) ; U19.41 111.09,38 U19.10 ; U11.B5 104.22,17.16 v6(104.47,17.4) 104.47,17.42 U11.C4 ; U18.8 U18.3 ; C435.2 36.26,28.83 36.26,28.83 C446.2 37.07,28.83 37.08,28.84 ; U11.C6 v6(103.61,17.66) ; U17.8 U17.3 ; v6(101.14,18.73) 101.21,18.66 U11.E11 ; U16.8 U16.3
  TOP w0.152: v6(103.56,29.49) 103.56,29.5 U11.AG6 ; U11.AH5 104.42,29.95 v6(104.42,29.95) ; v6(93.09,30.79) 93.21,30.67 U11.AJ27 ; v6(92.61,29.75) 92.7,29.66 U11.AG28 ; U11.AH20 96.54,30.33 v6(96.52,30.33) ; v6(96.32,29.47) 96.21,29.57 U11.AG21 ; v6(99.01,30.46) 99.01,30.46 U11.AJ15 ; U11.AG2 v6(105.49,29.43) ; U11.AG4 104.71,29.66 v6(104.85,29.8) ; v6(98.22,28.33) 98.21,28.34 U11.AE17 ; U11.AG26 93.71,29.66 v6(93.57,29.8) ; U11.AJ24 v6(94.79,30.74) ; U11.AG13 100.05,29.5 v6(100.05,29.49) ; v6(101.39,29.45) 101.38,29.45 101.38,29.49 U11.AG11 ; U11.AJ18 v6(97.71,30.82) ; v6(100.53,30.49) 100.54,30.49 U11.AJ12 ; v6(97.41,29.85) 97.4,29.85 U11.AG19 ; U11.AF8 102.53,29.34 v6(102.51,29.34) ; U11.AF23 v6(95.21,29.02) ; U14.K4 57.26,16.74 57.1,16.9 57.1,17.6 v2(56.62,18.08) ; U11.AG17 98.02,29.47 v6(98.02,29.47) ; U11.AE19 v6(97.21,28.66)
  TOP w0.203: U11.B20 v6(96.64,17.16) ; v6(97.59,16.54) 97.7,16.66 U11.A18 ; U11.V2 v2(105.07,25.16) ; U10.AD5 76.55,33.07 76.79,33.31 ; v6(101.37,17.81) 101.22,17.66 U11.C11 ; v1(28.98,36.96) 28.9,36.89 U34.K1 ; U10.P21 73.53,20.44 73.33,20.64 U10.R21 ; 22.31,32.06 U34.A12 U34.B12 U34.C12 22.32,33.38 22.81,33.38 U34.C11 ; 80.69,17.22 v2(80.69,16.76) U10.C18 ; U10.H3 84.82,26.41 v2(84.83,26.42) U10.J3 ; U14.R10 54.13,16.63 54.14,16.63 v2(54.33,16.82) ; U34.F6 25.33,34.89 25.57,34.64 25.57,34.64 ; U11.C17 98.03,17.84 v6(98.02,17.84) ; v2(53.77,21.06) 53.77,21.06 53.77,20.75 U14.AA4 ; U10.F8 83.45,22.74 v2(83.88,22.74) 84.36,22.74 ; 94.02,14.42 94.01,14.42 C153.2 ; U34.F5 25.82,34.88 v1(25.58,34.64) ; U10.U22 U10.T21 ; v6(93.85,17.53) 93.73,17.66 U11.C26 ; U11.M2 v2(105.13,22.16) ; v1(25.57,35.63) 25.81,35.39 U34.G5 ; v1(25.57,35.63) 25.56,35.63 U34.G6 ; v1(25.57,35.63) 25.82,35.88 U34.H5 ; v1(25.57,35.63) 25.57,35.64 U34.H6 ; U10.R5 v2(80.69,27.8) ; 95.55,32.83 95.61,32.83 ; U11.A15 v6(99.21,16.49) ; U14.P5 56.02,17.8 56.18,17.96 56.5,17.96 v2(56.62,18.08) ; U10.AD3 77.93,33.31 77.93,33.31 U10.AC3 ; U10.R3 v2(82.06,29.17) 82.07,29.16 U10.P3 ; U11.C19 97.21,17.66 v6(97.36,17.81) ; 78.85,27.5 78.85,27.52 ; v2(77.01,26.04) 77.01,26.32 77.01,26.32 U10.U11 77.86,26.42 ; v2(53.59,18.1) U14.U8 53.88,17.8 ; U14.Y5 U14.AA6 52.46,19.92 v2(51.93,20.45) ; v1(66.98,48.47) 67.23,48.72 J11.E7 ; U14.M7 v2(56.28,16.12) ; 75.17,18.6 75.17,18.6 75.17,18.44 ; U11.C28 v6(92.58,17.66) ; 78,28.25 78.11,28.25 78.11,28.25 ; U11.D23 95.41,17.96 v6(95.43,17.96) ; v1(24.57,34.63) U34.F8 ; v1(24.57,34.63) U34.E7 ; v1(24.57,34.63) 24.56,34.62 24.55,34.62 U34.E8 ; v1(24.57,34.63) 24.81,34.88 U34.F7 ; U11.A9 v6(102.21,16.39) ; 21.92,34.89 21.93,34.89 ; U34.H8 24.56,35.64 v1(24.57,35.64) ; U10.AA5 77.93,31.68 78.18,31.93 U10.AA3 78.85,31.94 v2(79.32,31.94) 79.32,31.48 U10.Y3 ; 32.46,32.06 32.88,32.06 32.93,32.12 U35.35 34.28,32.12 U35.49 ; J5.7 119.22,36.64 v1(118.62,37.24) ; v1(25.58,34.64) 25.57,34.64 ; v1(25.58,34.64) 25.82,34.4 U34.E5 ; U34.E11 U34.F11 U34.F12 21.93,34.89 ; U10.V5 79.31,29.63 v2(78.85,29.63) ; U10.AA29 66.9,19.8 66.9,19.8 v2(66.9,19.52) ; 55.49,18.68 U14.T5 ; v6(96.37,17.81) 96.21,17.66 U11.C21 ; v1(24.57,35.64) 24.52,35.59 U34.G8 ; v1(24.57,35.64) U34.H7 ; v1(24.57,35.64) U34.G7 ; 75.15,11.69 U10.C29 ; C319.2 v1(25.53,12) ; v2(95.68,23.37) 95.4,23.66 U11.R28 ; C161.2 96.39,32.83 96.39,32.83 ; U10.AJ23 65.98,26.38 65.97,26.38 ; U10.AJ11 71.23,31.93 71.04,31.74 U10.AJ12 70.71,31.47 70.57,31.47 ; U10.C15 v2(82.07,18.14) U10.C14 ; U10.C23 77.93,14.46 v2(77.93,14.01) U10.C24 ; v1(118.9,17.61) 119.35,17.16 J7.13 ; 25.57,34.64 U34.E6 ; 118.8,33.63 v1(118.49,33.63) ; U10.AD17 U10.AE17 ; 94.69,32.83 94.63,32.83 ; v2(84.83,20.9) 84.37,20.9 U10.C9 ; U11.C13 100.41,17.85 v6(100.41,17.86) ; v2(73.08,16.01) 72.78,16.3 ; U11.R2 v2(105.1,23.66) ; U11.E19 v6(97.17,18.66) ; U11.M29 v2(90.86,22.16)